# Altium PCB RTM_SFP.PcbDoc (part 3 of 7)
Units mm, origin at the board's own origin, x right, y up, seen from the top; angles counter-clockwise.
Board outline 182.5 x 148.5 mm, 4 copper layers (Top Layer, MidPlane_1, MidPlane_2, Bottom Layer), stack 0.883 mm thick; 377 components, 317 nets, 1528 pads, 1541 vias.
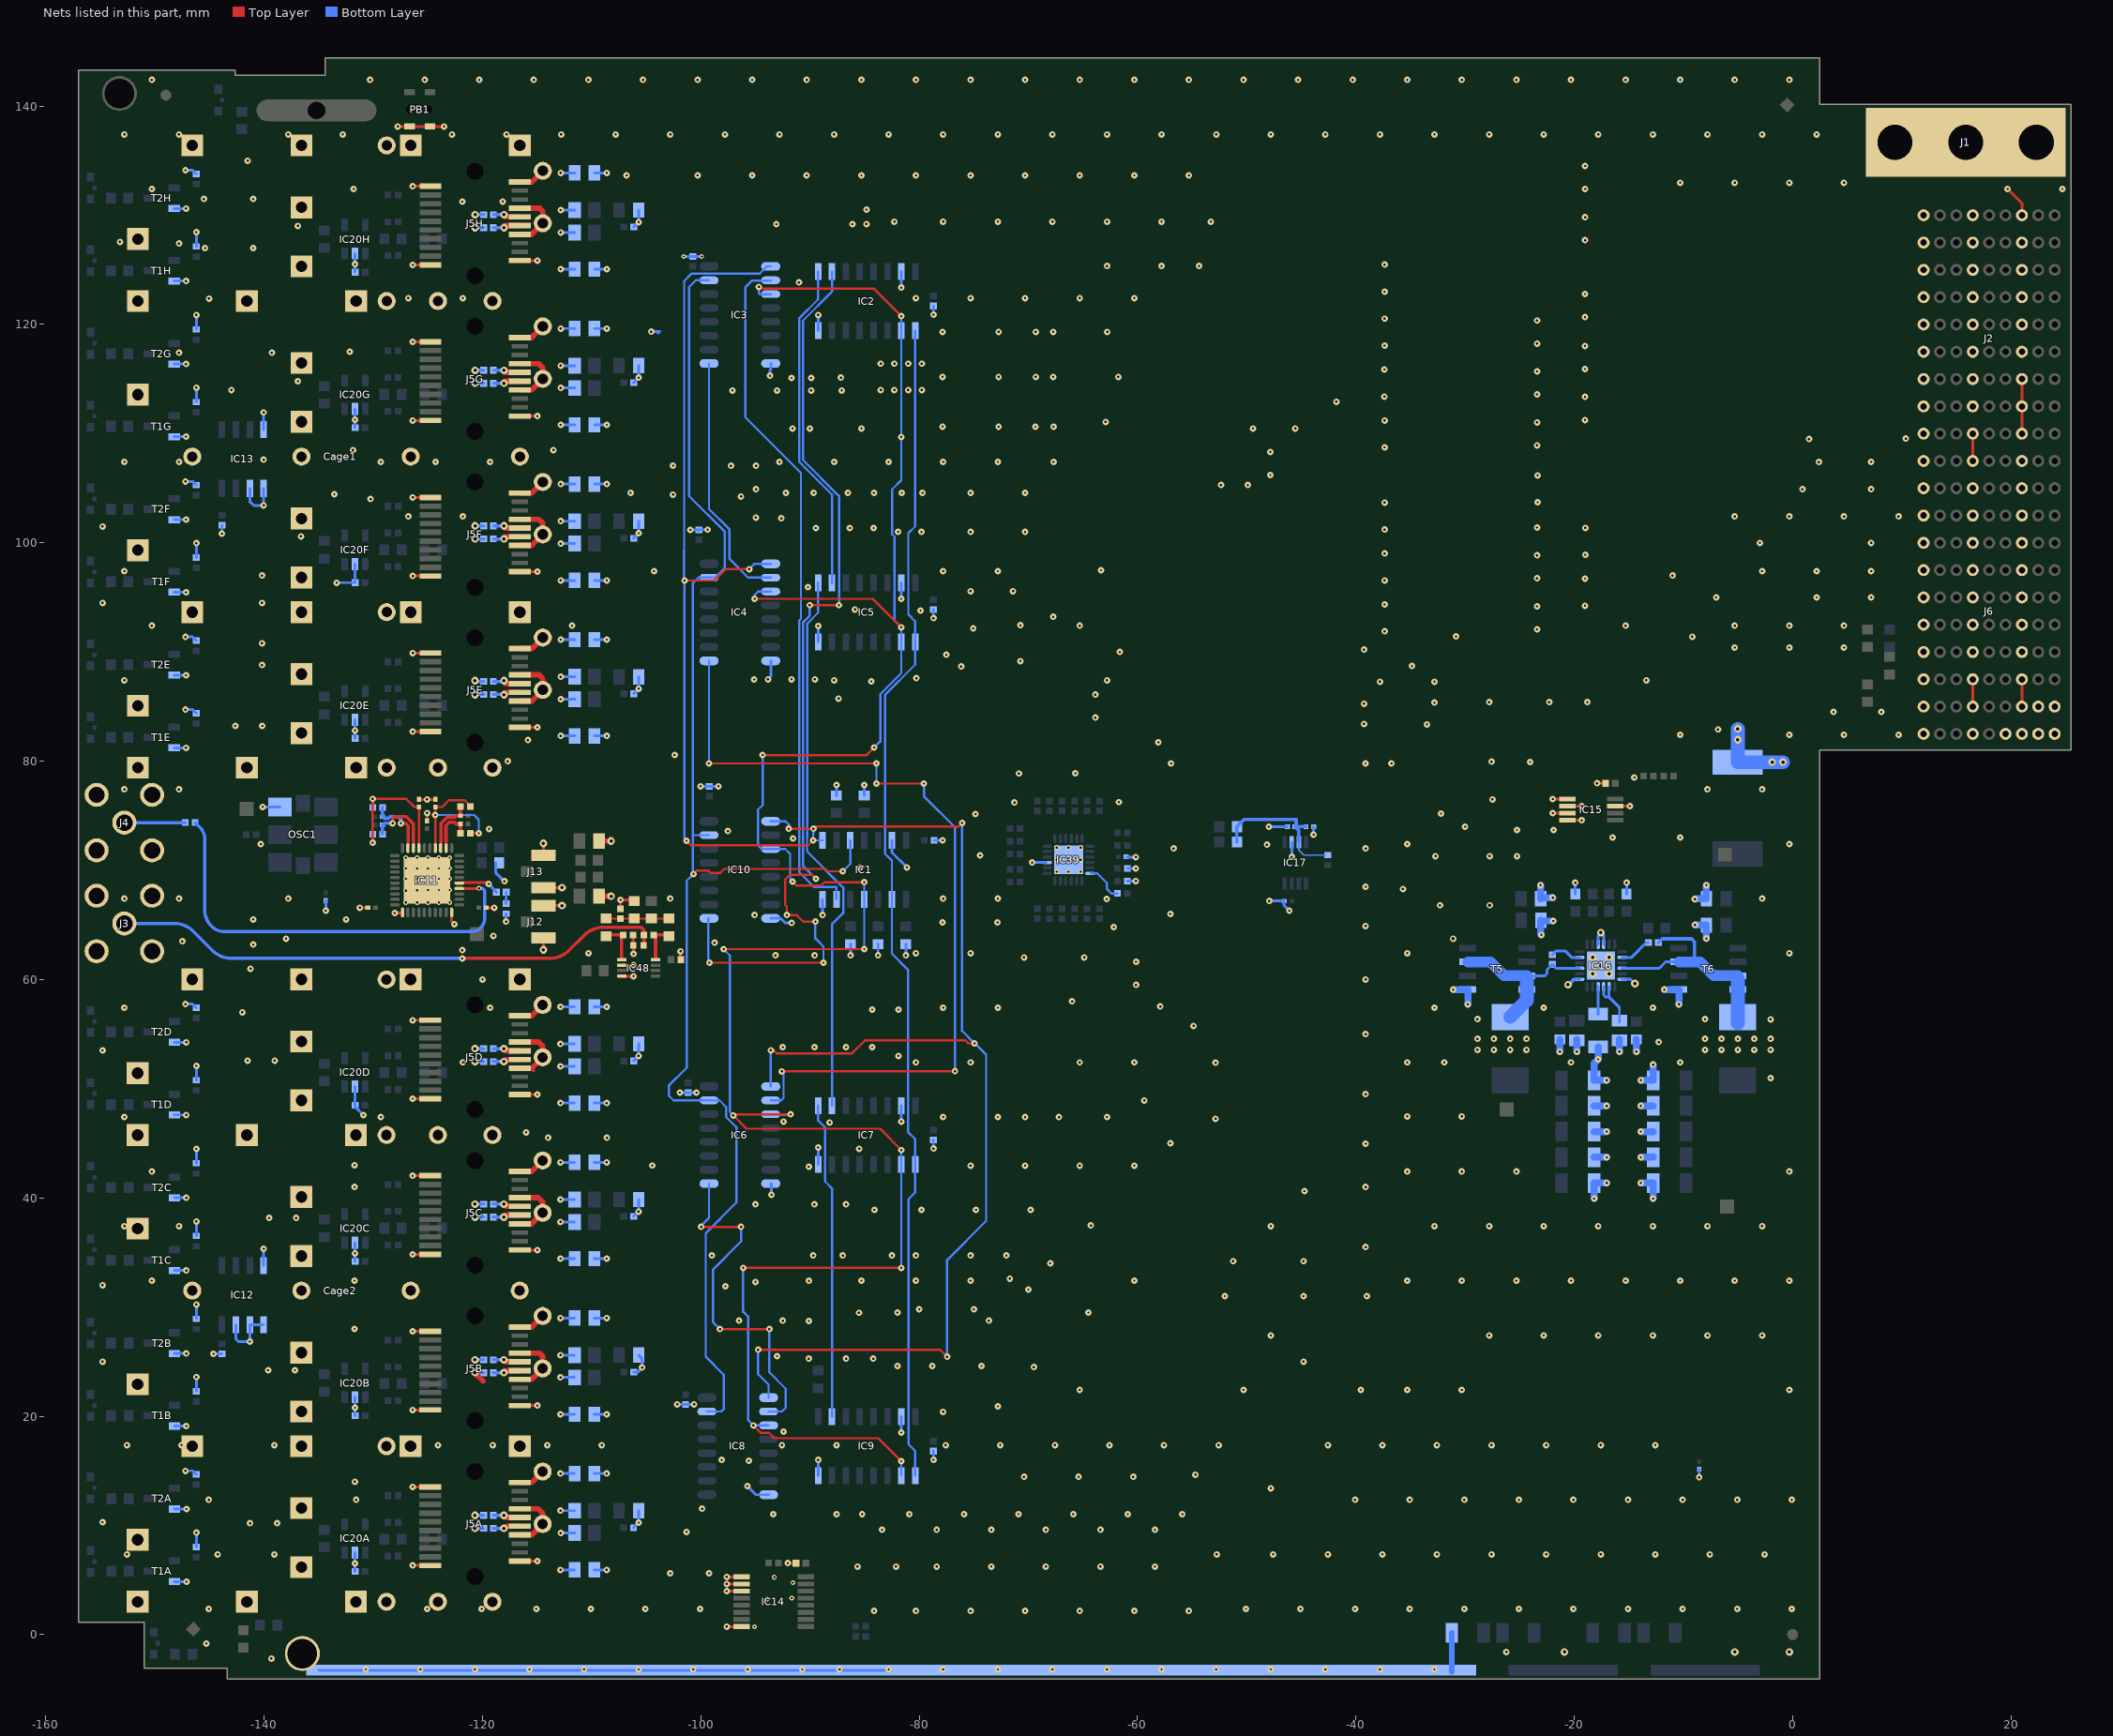
[diagram p5: the nets of this part, all layers, seen from the top]

## Via types
v1: diameter 0.6, hole 0.2, Top Layer to Bottom Layer, tented both sides, 1425 vias
v2: diameter 0.7, hole 0.3, Top Layer to Bottom Layer, tented both sides, 59 vias
v3: diameter 0.45, hole 0.2, Top Layer to Bottom Layer, tented both sides, 47 vias
v4: diameter 0.6, hole 0.2, Top Layer to Bottom Layer, 7 vias
v5: diameter 0.6, hole 0.3, Top Layer to Bottom Layer, tented both sides, 2 vias
v6: diameter 0.45, hole 0.2, Top Layer to Bottom Layer, 1 vias

## Nets (pads, with @x,y where several pads share a name; then routed paths per layer and width w, separated by ;. In a path a pad name is that pad's centre, name@x,y a point inside that pad or via, vN(x,y) a via of type N, cw(c..) or ccw(c..) an arc to the next point about the centre after c; other vN are vias at no path point) (continued)
GND: C1.2 C2.2 C3.2 C4.2 C6.2 C7.2 C8.2 C9.1 C10.1 C12.1 C13A.2 C13B.2 C13C.2 C13D.2 C13E.2 C13F.2 C13G.2 C13H.2 C14.1 C15.1 C16.2 C17.2 C19.1 C20.2 C21.2 C22.2 C23.2 C24.1 C25.2 C26.2 C27.2 C29.2 C30.2 C31.2 C84.2 C176.1 C179.1 C180.1 C181.1 C182.1 C186A.2 C186B.2 C186C.2 C186D.2 C186E.2 C186F.2 C186G.2 C186H.2 C202A.1 C202B.1 C202C.1 C202D.1 C202E.1 C202F.1 C202G.1 C202H.1 C207.1 C208.1 C209.1 C210.1 C213.1 C214A.2 C214B.2 C214C.2 C214D.2 C214E.2 C214F.2 C214G.2 C214H.2 C219A.2 C219B.2 C219C.2 C219D.2 C219E.2 C219F.2 C219G.2 C219H.2 C220A.2 C220B.2 C220C.2 C220D.2 C220E.2 C220F.2 C220G.2 C220H.2 C228A.2 C228B.2 C228C.2 C228D.2 C228E.2 C228F.2 C228G.2 C228H.2 C386.1 C390.1 C391.1 C396.1 C397.1 C399.1 C400.1 C401.1 C402.1 C403.1 Cage1.1 Cage1.2 Cage1.3 Cage1.4 Cage1.5 Cage1.6 Cage1.7 Cage1.8 Cage1.9 Cage1.10 Cage1.11 Cage1.12 Cage1.13 Cage1.14 Cage1.15 Cage1.16 Cage1.17 Cage1.18 Cage1.19 Cage1.20 Cage1.21 Cage1.22 Cage1.23 Cage1.24 Cage1.25 Cage1.26 Cage1.27 Cage1.28 Cage1.29 Cage1.30 Cage1.31 Cage1.32 Cage1.33 Cage1.34 Cage1.35 Cage1.36 Cage1.37 Cage1.38 Cage1.39 Cage1.40 Cage1.41 Cage1.42 Cage1.43 Cage1.44 Cage1.45 Cage1.46 Cage2.1 Cage2.2 Cage2.3 Cage2.4 Cage2.5 Cage2.6 Cage2.7 Cage2.8 Cage2.9 Cage2.10 Cage2.11 Cage2.12 Cage2.13 Cage2.14 Cage2.15 Cage2.16 Cage2.17 Cage2.18 Cage2.19 Cage2.20 Cage2.21 Cage2.22 Cage2.23 Cage2.24 Cage2.25 Cage2.26 Cage2.27 Cage2.28 Cage2.29 Cage2.30 Cage2.31 Cage2.32 Cage2.33 Cage2.34 Cage2.35 Cage2.36 Cage2.37 Cage2.38 Cage2.39 Cage2.40 Cage2.41 Cage2.42 Cage2.43 Cage2.44 Cage2.45 Cage2.46 IC1.7 IC1.13 IC2.8 IC2.15 IC3.8 IC4.8 IC5.8 IC5.15 IC6.8 IC7.8 IC7.15 IC8.8 IC9.8 IC9.15 IC10.8 IC11.21 IC11.30 IC11.41 IC12.4 IC12.5 IC12.6 IC12.7 IC13.4 IC13.5 IC13.6 IC14.1 IC14.2 IC14.3 IC14.8 IC15.1 IC15.2 IC15.3 IC15.4 IC15.7 IC16.3 IC16.4 IC16.12 IC16.19 IC16.25 IC17.2 IC20A.2 IC20B.2 IC20C.2 IC20D.2 IC20E.2 IC20F.2 IC20G.2 IC20H.2 IC39.9 IC39.25 IC48.2 IC48.4 J1.1 J2.BG1 J2.BG2 J2.BG3 J2.BG4 J2.BG5 J2.BG6 J2.BG7 J2.BG8 J2.BG9 J2.BG10 J2.DG1 J2.DG2 J2.DG3 J2.DG4 J2.DG5 J2.DG6 J2.DG7 J2.DG8 J2.DG9 J2.DG10 J2.FG1 J2.FG2 J2.FG3 J2.FG4 J2.FG5 J2.FG6 J2.FG7 J2.FG8 J2.FG9 J2.FG10 J3.2 J4.2 J5A.1 J5A.10 J5A.11 J5A.14 J5A.17 J5A.20 J5B.1 J5B.10 J5B.11 J5B.14 J5B.17 J5B.20 J5C.1 J5C.10 J5C.11 J5C.14 J5C.17 J5C.20 J5D.1 J5D.10 J5D.11 J5D.14 J5D.17 J5D.20 J5E.1 J5E.10 J5E.11 J5E.14 J5E.17 J5E.20 J5F.1 J5F.10 J5F.11 J5F.14 J5F.17 J5F.20 J5G.1 J5G.10 J5G.11 J5G.14 J5G.17 J5G.20 J5H.1 J5H.10 J5H.11 J5H.14 J5H.17 J5H.20 J6.BG1 J6.BG2 J6.BG3 J6.BG4 J6.BG5 J6.BG6 J6.BG7 J6.BG8 J6.BG9 J6.BG10 J6.C1 J6.DG1 J6.DG2 J6.DG3 J6.DG4 J6.DG5 J6.DG6 J6.DG7 J6.DG8 J6.DG9 J6.DG10 J6.FG1 J6.FG2 J6.FG3 J6.FG4 J6.FG5 J6.FG6 J6.FG7 J6.FG8 J6.FG9 J6.FG10 J12.2 J13.2 OSC1.3 pad.ESD_STRIP_SEGMENT_3 pad.MH2 PB1.3 PB1.4 R2.1 R3.1 R4.1 R5.1 R10A.1 R10B.1 R10C.1 R10D.1 R10E.1 R10F.1 R10G.1 R10H.1 R12A.1 R12B.1 R12C.1 R12D.1 R12E.1 R12F.1 R12G.1 R12H.1 R13.1 R18.1 R22.2 R26.1 R29.2 R30.1 R54.2 R211.2 R246.1 R248.1 R326.1 R327.1 T1A.2 T1B.2 T1C.2 T1D.2 T1E.2 T1F.2 T1G.2 T1H.2 T2A.2 T2B.2 T2C.2 T2D.2 T2E.2 T2F.2 T2G.2 T2H.2 T5.1 T6.1 | length 437.1
  Top Layer w0.254: v1(-131.24,66.58) C399.1@-130.51,66.58 ; v1(-128.04,66.09) IC11.21@-127.33,66.09 ; v1(-127.762,138.136) PB1.3@-126.676,138.136 PB1.4@-124.826,138.136 v1(-123.526,138.136) ; IC11.21@-127.33,66.14 IC11.21@-127.301,66.169 ; v1(-126.398,6.326) J5A.10@-124.79,6.326 ; v1(-126.398,13.526) J5A.1@-124.79,13.526 ; v1(-126.398,20.576) J5B.10@-124.79,20.576 ; v1(-126.398,27.776) J5B.1@-124.79,27.776 ; v1(-126.398,34.826) J5C.10@-124.79,34.826 ; v1(-126.398,42.026) J5C.1@-124.79,42.026 ; v1(-126.398,49.076) J5D.10@-124.79,49.076 ; v1(-126.398,56.276) J5D.1@-124.79,56.276 ; v1(-126.384,82.706) J5E.10@-124.775,82.706 ; v1(-126.384,89.906) J5E.1@-124.775,89.906 ; v1(-126.384,96.956) J5F.10@-124.775,96.956 ; v1(-126.384,104.156) J5F.1@-124.775,104.156 ; v1(-126.384,111.206) J5G.10@-124.775,111.206 ; v1(-126.384,118.406) J5G.1@-124.775,118.406 ; v1(-126.384,125.456) J5H.10@-124.775,125.456 ; v1(-126.384,132.656) J5H.1@-124.775,132.656 ; v3(-126,69.225) -125.865,69.09 IC11.41@-125.08,69.09 ; C397.1@-125.83,76.5 v1(-125.08,76.5) C396.1@-124.33,76.5 ; C400.1@-125.08,74.53 v1(-125.08,75.26) ; IC11.30@-122.859,66.169 IC11.30@-122.83,66.14 ; IC11.30@-122.83,66.09 -122.83,65.34 v1(-122.57,65.08) ; C401.1@-119.65,66.58 v1(-118.92,66.58) ; J5A.11@-116.59,6.726 v1(-114.981,6.726) ; J5B.11@-116.59,20.976 v1(-114.981,20.976) ; J5C.11@-116.59,35.226 v1(-114.981,35.226) ; J5D.11@-116.59,49.476 v1(-114.981,49.476) ; J5E.11@-116.575,83.106 v1(-114.967,83.106) ; J5F.11@-116.575,97.356 v1(-114.967,97.356) ; J5G.11@-116.575,111.606 v1(-114.967,111.606) ; J5H.11@-116.575,125.856 v1(-114.967,125.856) ; -115.471,23.291 -115.471,23.4 ; -115.471,51.9 -115.331,51.759 -115.331,51.626 ; v2(-114.42,62.715) J12.2@-114.42,63.815 ; J12.2@-114.42,66.765 v2(-112.72,66.765) ; J13.2@-114.42,68.415 v2(-112.72,68.415) ; J13.2@-114.42,71.365 v2(-114.42,72.465) ; C16.2@-107.36,66.48 v1(-107.36,67.29) -106.2,67.29 R26.1@-106.09,67.18 ; IC48.4@-107.25,60.31 v1(-106.163,60.31) ; IC48.2@-107.25,61.31 v1(-106.163,61.31) ; R211.2@-106.213,63.17 C19.1@-106.213,64.08 ; v1(-106.163,62.347) R211.2@-106.163,63.12 ; v1(-101.855,62.578) -101.855,61.825 C17.2@-101.84,61.81 ; v1(-97.635,0.735) IC14.8@-96.28,0.735 ; v1(-97.635,3.985) IC14.3@-96.28,3.985 ; v1(-97.635,4.635) IC14.2@-96.28,4.635 ; v1(-97.635,5.285) IC14.1@-96.28,5.285 ; v1(-92.04,6.54) C26.2@-91.28,6.54 ; v1(-21.965,75.235) IC15.3@-20.64,75.235 ; v1(-21.965,76.535) IC15.1@-20.64,76.535 ; IC15.4@-20.64,74.585 v1(-19.315,74.585) ; IC15.2@-20.64,75.885 v1(-19.315,75.885) ; v1(-17.92,77.97) C27.2@-17.14,77.97 ; IC15.7@-16.24,75.885 v1(-14.905,75.885) ; J6.DG2@16.5,85 J6.DG3@16.5,87.5 ; J2.DG1@16.5,107.5 J2.DG2@16.5,110 ; v1(19.7,132.411) 21,131.111 J2.BG10@21,130 ; J6.BG2@21,85 J6.BG3@21,87.5 ; J2.BG2@21,110 J2.BG3@21,112.5 J2.BG4@21,115
  Top Layer w0.5: v2(-120.7,23.985) -119.948,23.233 ; J5A.14@-116.59,9.126 -115.495,9.126 Cage2.43@-114.49,10.131 -114.49,11.12 -114.896,11.526 J5A.17@-116.59,11.526 ; J5A.20@-116.59,13.926 -115.495,13.926 Cage2.42@-114.49,14.931 ; J5B.14@-116.59,23.376 -115.495,23.376 Cage2.40@-114.49,24.381 -114.49,25.48 -114.786,25.776 J5B.17@-116.59,25.776 ; J5B.20@-116.59,28.176 -115.495,28.176 Cage2.39@-114.49,29.181 ; J5C.14@-116.59,37.626 -115.495,37.626 Cage2.34@-114.49,38.631 -114.49,39.63 -114.886,40.026 J5C.17@-116.59,40.026 ; J5C.20@-116.59,42.426 -115.495,42.426 Cage2.33@-114.49,43.431 ; J5D.14@-116.59,51.876 -115.495,51.876 Cage2.29@-114.49,52.881 -114.49,53.89 -114.876,54.276 J5D.17@-116.59,54.276 ; J5D.20@-116.59,56.676 -115.495,56.676 Cage2.28@-114.49,57.681 ; J5E.14@-116.575,85.506 -115.48,85.506 -114.475,86.511 -114.475,87.565 -114.816,87.906 J5E.17@-116.575,87.906 ; J5E.20@-116.575,90.306 -115.48,90.306 Cage1.42@-114.475,91.311 ; J5F.14@-116.575,99.756 -115.48,99.756 -114.475,100.761 -114.475,101.795 -114.836,102.156 J5F.17@-116.575,102.156 ; J5F.20@-116.575,104.556 -115.48,104.556 Cage1.39@-114.475,105.561 ; J5G.14@-116.575,114.006 -115.48,114.006 -114.475,115.011 -114.475,116.025 -114.856,116.406 J5G.17@-116.575,116.406 ; J5G.20@-116.575,118.806 -115.48,118.806 Cage1.33@-114.475,119.811 ; J5H.14@-116.575,128.256 -115.48,128.256 -114.475,129.261 -114.475,130.365 -114.766,130.656 J5H.17@-116.575,130.656 ; J5H.20@-116.575,133.056 -115.48,133.056 Cage1.28@-114.475,134.061 ; C24.1@-109.33,67.63 v2(-108.23,67.63) ; C390.1@-109.33,72.68 v2(-108.23,72.68)
  Bottom Layer w0.254: T1E.2@-148.25,81.225 v1(-147.16,81.225) ; T2E.2@-148.25,87.875 v1(-147.16,87.875) ; T1F.2@-148.25,95.475 v1(-147.16,95.475) ; T2F.2@-148.25,102.125 v1(-147.16,102.125) ; T1G.2@-148.25,109.725 v1(-147.16,109.725) ; T2G.2@-148.25,116.375 v1(-147.16,116.375) ; T1H.2@-148.25,123.975 v1(-147.16,123.975) ; T2H.2@-148.25,130.625 v1(-147.16,130.625) ; T1B.2@-148.225,19.1 v1(-147.135,19.1) ; T2B.2@-148.225,25.75 v1(-147.135,25.75) ; T1C.2@-148.225,33.35 v1(-147.135,33.35) ; T2C.2@-148.225,40 v1(-147.135,40) ; T1D.2@-148.225,47.6 v1(-147.135,47.6) ; T2D.2@-148.225,54.25 v1(-147.135,54.25) ; T1A.2@-148.21,4.849 v1(-147.12,4.849) ; T2A.2@-148.21,11.499 v1(-147.12,11.499) ; v1(-147.21,14.999) -146.55,14.999 R10A.1@-146.22,14.669 ; v1(-147.21,57.75) -146.55,57.75 R10D.1@-146.22,57.42 ; v1(-147.21,84.725) -146.55,84.725 R12E.1@-146.22,84.395 ; v1(-147.21,91.375) -146.55,91.375 R10E.1@-146.22,91.045 ; v1(-147.21,105.625) -146.55,105.625 R10F.1@-146.22,105.295 ; v1(-147.21,134.125) -146.55,134.125 R10H.1@-146.22,133.795 ; R12A.1@-146.22,8.019 v1(-146.22,9.339) ; R12B.1@-146.22,22.27 v1(-146.22,23.59) ; R10B.1@-146.22,28.92 v1(-146.22,30.24) ; R12C.1@-146.22,36.52 v1(-146.22,37.84) ; R10C.1@-146.22,43.17 v1(-146.22,44.49) ; R12D.1@-146.22,50.77 v1(-146.22,52.09) ; R12F.1@-146.22,98.645 v1(-146.22,99.965) ; R12G.1@-146.22,112.895 v1(-146.22,114.215) ; R10G.1@-146.22,119.545 v1(-146.22,120.865) ; R12H.1@-146.22,127.145 v1(-146.22,128.465) ; v1(-144.644,25.72) C21.2@-143.86,25.72 ; v1(-143.86,100.841) C25.2@-143.86,101.625 ; IC12.7@-142.59,28.386 -142.59,27.07 -142.35,26.83 v1(-141.32,26.83) IC12.6@-141.32,28.386 IC12.5@-140.05,28.386 ; IC13.6@-141.32,104.986 -141.32,103.78 -140.97,103.43 v1(-140.05,103.43) IC13.5@-140.05,104.986 ; v1(-140.15,75.81) OSC1.3@-138.56,75.81 ; IC12.4@-140.05,33.786 v1(-140.05,35.343) ; IC13.4@-140.05,110.386 v1(-140.05,111.943) ; pad.MH2@-136.501,-1.739 pad.MH2@-135.482,-2.758 ; pad.ESD_STRIP_SEGMENT_3@-134.976,-3.264 pad.ESD_STRIP_SEGMENT_3@-82.571,-3.264 ; v1(-134.36,66.3) C391.1@-134.36,67.23 ; v1(-133.36,96.35) C202F.1@-131.68,96.35 ; C202A.1@-131.68,5.789 v1(-131.68,6.519) IC20A.2@-131.68,7.499 ; C202B.1@-131.68,20.04 v1(-131.68,20.77) IC20B.2@-131.68,21.75 ; C202C.1@-131.68,34.19 v1(-131.68,34.92) IC20C.2@-131.68,35.9 ; C202D.1@-131.68,48.49 IC20D.2@-131.68,50.2 ; C202E.1@-131.68,82.09 v1(-131.68,82.82) IC20E.2@-131.68,83.8 ; IC20F.2@-131.68,98.06 C202F.1@-131.68,96.35 ; C202G.1@-131.68,110.55 v1(-131.68,111.28) IC20G.2@-131.68,112.26 ; C202H.1@-131.68,124.79 v1(-131.68,125.52) IC20H.2@-131.68,126.5 ; C202D.1@-131.66,48.49 -131.66,48.33 v1(-130.91,47.58) ; C202F.1@-131.66,96.35 C202F.1@-131.68,96.35 ; R30.1@-118.81,70.69 -118.81,69.81 v1(-118,69) ; v1(-117.836,65.303) R29.2@-117.836,66.02 ; C219A.2@-109.764,5.93 C219A.2@-109.75,5.93 v1(-108.629,5.93) ; C220A.2@-109.764,14.75 C220A.2@-109.75,14.75 v1(-108.629,14.75) ; C219B.2@-109.764,20.18 C219B.2@-109.75,20.18 v1(-108.629,20.18) ; C220B.2@-109.764,29 C220B.2@-109.75,29 v1(-108.629,29) ; C219C.2@-109.764,34.43 C219C.2@-109.75,34.43 v1(-108.629,34.43) ; C220C.2@-109.764,43.25 C220C.2@-109.75,43.25 v1(-108.629,43.25) ; C219D.2@-109.764,48.68 C219D.2@-109.75,48.68 v1(-108.629,48.68) ; C220D.2@-109.764,57.5 C220D.2@-109.75,57.5 v1(-108.629,57.5) ; C219E.2@-109.75,82.31 v1(-108.615,82.31) ; C220E.2@-109.75,91.13 v1(-108.615,91.13) ; C219F.2@-109.75,96.56 v1(-108.615,96.56) ; C220F.2@-109.75,105.38 v1(-108.615,105.38) ; C219G.2@-109.75,110.81 v1(-108.615,110.81) ; C220G.2@-109.75,119.63 v1(-108.615,119.63) ; C219H.2@-109.75,125.06 v1(-108.615,125.06) ; C220H.2@-109.75,133.88 v1(-108.615,133.88) ; C186A.2@-106.167,9.797 -105.714,10.25 C13A.2@-105.714,11.35 ; C186B.2@-106.164,24.05 C186B.2@-106.162,24.052 ; C186C.2@-106.164,38.3 v1(-105.714,38.75) C13C.2@-105.714,39.85 ; C186D.2@-106.164,52.55 v1(-105.714,53) C13D.2@-105.714,54.1 ; C186B.2@-106.15,24.04 -105.758,24.04 v1@-105.363,24.434 ; C186E.2@-106.15,86.18 -105.7,86.63 C13E.2@-105.7,87.73 ; C186F.2@-106.15,100.43 -105.7,100.88 C13F.2@-105.7,101.98 ; C186G.2@-106.15,114.68 -105.7,115.13 C13G.2@-105.7,116.23 ; C186H.2@-106.15,128.93 v1(-105.7,129.38) C13H.2@-105.7,130.48 ; C13B.2@-105.714,25.6 -105.38,25.266 v1(-105.38,24.451) ; v1(-104.55,119.34) -103.76,119.34 ; -104.202,119.34 cw(c-104.202,118.898) -103.889,119.211 ; v1(-102.159,21.089) C2.2@-101.397,21.089 v1(-100.61,21.089) ; v1(-101.93,49.639) C22.2@-101.168,49.639 v1(-100.393,49.639) ; v3(-101.57,126.231) C6.2@-100.736,126.231 v3(-99.931,126.231) ; v1(-100.955,101.18) -100.191,101.18 C7.2@-100.178,101.193 -100.166,101.205 v1(-99.38,101.205) ; v1(-100.028,77.699) C1.2@-99.224,77.699 v1(-98.4,77.699) ; v1(-95.75,13.6) -94.961,12.811 IC8.8@-93.8,12.811 ; v1(-93.85,87.5) -93.6,87.75 IC4.8@-93.6,89.191 ; v1(-93.675,115.3) -93.675,115.825 -93.6,115.9 IC3.8@-93.6,116.43 ; IC6.8@-93.6,41.311 -93.525,41.236 v1(-93.525,40.275) ; IC10.8@-93.6,65.605 -92.68,65.605 -92.25,65.175 v1(-91.675,65.175) ; IC9.8@-89.26,14.556 v1(-89.26,15.996) ; IC7.8@-89.26,43.056 v1(-89.26,44.611) ; IC5.8@-89.26,90.936 v1(-89.26,92.376) ; IC2.8@-89.26,119.436 v1(-89.26,120.876) ; v1(-88.85,65.91) IC1.7@-88.85,67.35 ; R2.1@-87.58,76.85 v1(-87.58,77.82) ; v1(-86.3,62.21) R3.1@-86.3,63.25 ; R5.1@-85.04,76.85 v1(-85.04,77.82) ; v1(-83.77,62.21) R13.1@-83.77,63.25 ; IC1.13@-82.5,72.75 -82.5,71.64 v1(-81.13,70.27) ; v1(-81.64,18.496) IC9.15@-81.64,19.956 ; v1(-81.64,46.996) IC7.15@-81.64,48.456 ; v1(-81.64,94.876) IC5.15@-81.64,96.336 ; v1(-81.64,123.376) IC2.15@-81.64,124.836 ; v1(-81.23,62.21) R4.1@-81.23,63.25 ; v1(-78.7,16.016) C3.2@-78.7,16.806 ; v1(-78.7,44.516) C4.2@-78.7,45.306 ; v1(-78.7,93.096) C20.2@-78.7,93.886 ; v1(-78.7,120.896) C8.2@-78.7,121.686 ; C23.2@-78.64,72.75 v1(-77.85,72.75) ; v1(-69.66,70.72) IC39.9@-68.369,70.72 ; C402.1@-61.04,71.22 v1(-60.15,71.22) ; R327.1@-60.94,69.03 v1(-60.15,69.03) ; R326.1@-60.94,70.175 v1(-60.15,70.175) ; v4(-47.979,74) C29.2@-46.275,74 ; v4(-47.941,67.2) C30.2@-46.575,67.2 -46.575,66.775 v4(-46.1,66.3) ; v4(-45.875,71.239) IC17.2@-45.875,72.59 ; v4(-43.875,73.269) C31.2@-43.875,74 ; v2(-20.57,59.53) -20.07,60.03 IC16.19@-19.51,60.03 ; v2@-20.355,59.472 cw(c-19.5,59.243) IC16.19@-19.943,60.009 ; R248.1@-19.91,67.83 v1(-19.91,68.87) ; IC16.3@-17.81,63.23 -17.81,64.04 v2(-17.56,64.29) -17.31,64.04 IC16.4@-17.31,63.23 ; IC16.12@-15.61,60.03 -14.85,60.03 v2(-14.45,59.63) ; R18.1@-15.21,67.83 v1(-15.21,68.87) ; v1(-8.56,14.41) C403.1@-8.56,15.14
  Bottom Layer w0.3: v2(-120.7,9.735) C228A.2@-119.9,9.735 ; v2(-120.7,10.92) C214A.2@-119.9,10.92 ; v2(-120.7,23.985) C228B.2@-119.9,23.985 ; v2(-120.7,25.17) C214B.2@-119.9,25.17 ; v2(-120.7,38.235) C228C.2@-119.9,38.235 ; v2(-120.7,39.42) C214C.2@-119.9,39.42 ; v2(-120.7,52.485) C228D.2@-119.9,52.485 ; v2(-120.7,53.67) C214D.2@-119.9,53.67 ; v2(-120.69,86.09) -120.69,86.111 -120.686,86.115 C228E.2@-119.9,86.115 C228E.2@-119.886,86.115 ; v2(-120.69,87.38) -120.69,87.304 -120.686,87.3 C214E.2@-119.9,87.3 C214E.2@-119.886,87.3 ; v2(-120.686,100.365) C228F.2@-119.9,100.365 C228F.2@-119.886,100.365 ; v2(-120.686,101.55) C214F.2@-119.9,101.55 C214F.2@-119.886,101.55 ; v2(-120.686,114.615) C228G.2@-119.9,114.615 C228G.2@-119.886,114.615 ; v2(-120.686,115.8) C214G.2@-119.9,115.8 C214G.2@-119.886,115.8 ; v2(-120.686,128.865) C228H.2@-119.9,128.865 C228H.2@-119.886,128.865 ; v2(-120.686,130.05) C214H.2@-119.9,130.05 C214H.2@-119.886,130.05
  Bottom Layer w0.5: pad.ESD_STRIP_SEGMENT_3@-31.22,-3.414 R22.2@-31.22,0.161
  Bottom Layer w0.635: v1(-31.09,59.075) T5.1@-29.75,59.075 v1(-29.75,57.735) ; v1(-23.094,68.636) -23.094,67.418 C10.1@-23.087,67.411 -22.998,67.5 v1(-21.962,67.5) ; v1(-23.018,64.09) -23.065,64.137 C9.1@-23.065,65.435 -22.996,65.365 v1(-21.928,65.365) ; v1(-21.32,53.39) R54.2@-21.32,54.53 ; v1(-19.76,53.39) C84.2@-19.76,54.43 C84.2@-19.76,54.53 ; v1(-18.17,39.93) C181.1@-18.17,41.37 v1(-17.03,41.37) ; C182.1@-18.17,43.72 v1(-17.03,43.72) ; C180.1@-18.17,46.07 v1(-17.03,46.07) ; C179.1@-18.17,48.42 v1(-17.03,48.42) ; C207.1@-17.81,53.83 v1(-17.81,52.69) -18.17,52.33 C176.1@-18.17,50.77 v1(-17.03,50.77) ; v1(-15.86,53.39) C386.1@-15.86,54.43 C386.1@-15.86,54.53 ; v1(-14.31,53.39) R246.1@-14.31,54.53 ; v1(-13.91,41.37) C15.1@-12.77,41.37 v1(-12.77,39.93) ; v1(-13.91,43.72) C213.1@-12.77,43.72 ; v1(-13.91,46.07) C210.1@-12.77,46.07 ; v1(-13.91,48.42) C208.1@-12.77,48.42 ; v1(-13.91,50.77) C209.1@-12.77,50.77 v1(-12.77,52.21) ; v1(-11.76,59.075) T6.1@-10.42,59.075 v1(-10.42,57.735) ; v1(-8.956,67.372) -8.916,67.412 C14.1@-7.9,67.412 v1(-7.9,68.636) ; v1(-8.938,65.008) -8.91,64.98 C12.1@-8.01,64.98 ; v1(-7.9,63.76) -7.9,64.87 C12.1@-8.01,64.98 ; C12.1@-7.9,64.98 C12.1@-8.01,64.98
  other v1: -130.7,-3.19 -125.7,-3.19 -120.7,-3.19 -115.7,-3.19 -110.7,-3.19 -105.7,-3.19 -100.7,-3.19 -95.7,-3.19 -90.7,-3.19 -87.3,-3.19 -82.8,-3.19 -77.8,-3.19 -72.8,-3.19 -67.8,-3.19 -62.8,-3.19 -57.8,-3.19 -52.8,-3.19 -47.8,-3.19 -42.8,-3.19 -37.8,-3.19 -32.8,-3.19 -139.34,-2.19 -26.22,-1.587 -145.3,-0.82 -84.14,2.17 -80.3,2.17 -75.3,2.17 -70.3,2.17 -65.3,2.17 -60.3,2.17 -55.3,2.17 -145.075,2.35 -125.075,2.35 -120.075,2.35 -115.075,2.35 -110.075,2.35 -105.075,2.35 -100.075,2.35 -50.075,2.35 -45.075,2.35 -40.075,2.35 -35.075,2.35 -30.075,2.35 -25.075,2.35 -20.075,2.35 -15.075,2.35 -10.075,2.35 -5.075,2.35 -0.075,2.35 -102.8,5.62 -99.24,5.62 -85.65,6.225 -82.125,6.225 -78.4,6.225 -73.4,6.225 -68.4,6.225 -63.4,6.225 -58.4,6.225 -152.575,7.35 -144.25,7.35 -139.075,7.35 -52.75,7.35 -47.575,7.35 -42.575,7.35 -37.575,7.35 -32.575,7.35 -27.575,7.35 -22.575,7.35 -17.575,7.35 -12.575,7.35 -7.575,7.35 -2.575,7.35 -101.31,9.41 -83.4,9.6 -78.4,9.6 -73.4,9.6 -68.4,9.6 -63.4,9.6 -58.4,9.6 -141.29,10.2 -138.82,10.2 -105.7,10.25 -154.8,10.3 -93.37,11.03 -87.55,11.03 -85.23,11.03 -80.9,11.03 -75.9,11.03 -70.9,11.03 -65.9,11.03 -60.9,11.03 -55.9,11.03 -99.88,11.53 -145.075,12.35 -131.575,12.35 -40.075,12.35 -35.075,12.35 -30.075,12.35 -25.075,12.35 -20.075,12.35 -15.075,12.35 -10.075,12.35 -5.075,12.35 -0.075,12.35 -47.8,13.4 -131.7,14 -70.4,14.45 -65.4,14.45 -60.4,14.45 -54.7,14.65 -95.62,15.93 -98.1,15.99 -152.575,17.35 -147.575,17.35 -139.075,17.35 -124.075,17.35 -119.075,17.35 -114.075,17.35 -109.075,17.35 -92.575,17.35 -87.575,17.35 -77.575,17.35 -72.575,17.35 -67.575,17.35 -62.575,17.35 -57.575,17.35 -52.575,17.35 -42.575,17.35 -37.575,17.35 -32.575,17.35 -27.575,17.35 -22.575,17.35 -17.575,17.35 -12.575,17.35 -92.425,18.59 -77.8,20.4 -72.8,20.9 -65.3,22.411 -50.3,22.411 -39.55,22.411 -35.3,22.411 -30.3,22.411 -0.3,22.411 -139.646,24.21 -137.176,24.21 -69.5,24.5 -82,24.6 -78.8,24.6 -74.3,24.6 -154.8,25 -44.8,25 -90.125,25.274 -86.7,25.275 -84.2,25.275 -93.03,25.5 -47.8,27.411 -27.8,27.411 -22.8,27.411 -17.8,27.411 -12.8,27.411 -7.8,27.411 -2.8,27.411 -131.725,28 -90.1,28.725 -96.5,28.75 -92.5,28.75 -73.625,28.75 -85.525,29.475 -82,29.5 -64.5,29.5 -80,29.8 -75,29.8 -52,31 -44.8,31 -39,31 -70,31.6 -97.75,31.9 -154.8,32 -95,32.3 -150.3,32.411 -131.725,32.411 -90.1,32.409 -85.3,32.411 -80.3,32.411 -75.3,32.411 -60.3,32.411 -35.3,32.411 -30.3,32.411 -25.3,32.411 -20.3,32.411 -15.3,32.411 -10.3,32.411 -5.3,32.411 -0.3,32.411 -71.7,32.6 -68,34 -51.25,34.2 -44.8,34.2 -98.999,34.725 -89.7,34.725 -87,34.725 -82.5,34.725 -80.3,34.725 -75.3,34.725 -72.025,34.725 -39.1,35.5 -152.8,37.411 -147.8,37.411 -47.8,37.411 -32.8,37.411 -27.8,37.411 -22.8,37.411 -17.8,37.411 -12.8,37.411 -7.8,37.411 -2.8,37.411 -64.275,37.475 -139.543,38.16 -137.073,38.16 -84.1,38.9 -79.8,38.9 -74.8,38.9 -69.8,38.9 -95,39.4 -89.6,39.4 -86.7,39.4 -44.725,40.625 -131.725,41 -39.1,41 -150.3,42.411 -35.3,42.411 -30.3,42.411 -25.3,42.411 -0.3,42.411 -90.125,42.85 -104.458,42.962 -75.3,42.961 -70.3,42.961 -65.3,42.961 -60.3,42.961 -131.725,43 -85.5,44.5 -39.1,44.96 -57,45 -114,45.5 -108.6,45.5 -116,46 -88.2,46.9 -92.425,46.995 -52.85,47.25 -70.3,47.4 -67.2,47.4 -152.8,47.411 -129.3,47.411 -77.8,47.411 -72.8,47.411 -62.8,47.411 -35.3,47.47 -30.3,47.47 -59.38,48.93 -39.1,49.5 -2.02,50.97 -52.85,52.375 -121.8,52.411 -80.3,52.411 -75.3,52.411 -65.3,52.411 -60.3,52.411 -35.3,52.411 -31.9,52.411 -20.3,52.411 -10.3,52.411 -141.513,52.58 -139.043,52.58 -81.9,53 -154.8,53.5 -92.5,53.8 -89.6,53.8 -86.7,53.8 -84.3,53.8 -12.26,54.27 -39.1,55 -54.875,55.75 -142,57 -84.3,57.25 -81.9,57.25 -152.8,57.411 -119.3,57.411 -77.8,57.411 -72.8,57.411 -32.8,57.411 -22.8,57.411 -12.8,57.411 -57.925,57.536 -66,58 -60.142,59.512 -120,60 -39.1,60 -141.25,61 -60.142,61.622 -70.41,62.02 -64.88,62.03 -93.17,62.21 -89.58,62.21 -110.3,62.411 -80.3,62.411 -75.3,62.411 -35.3,62.411 -0.3,62.411 -121.86,62.69 -141,63.2 -98.75,63.375 -147.5,63.5 -138,63.75 -119,64 -62.17,64.8 -39.1,64.9 -77.87,65.23 -72.82,65.23 -141,65.5 -132.5,65.5 -95.072,65.9 -57,66 -32.3,66.8 -62.837,67.372 -152.8,67.411 -147.8,67.411 -137.8,67.411 -102.8,67.411 -77.8,67.411 -72.8,67.411 -2.8,67.411 -35.7,68.3 -39.1,68.5 -85.44,70.27 -32.7,71.3 -27.75,71.3 -25.25,71.3 -74.41,71.37 -56.7,72 -39.1,72 -48.15,72.345 -140.3,72.411 -35.3,72.411 -0.3,72.411 -91.545,72.925 -16.5,73 -10.3,73 -97.525,73.6 -25.25,73.7 -21.9,73.7 -119.4,73.8 -30,74 -74.84,75.15 -32.2,75.2 -71.28,76.21 -61.72,76.25 -27.5,76.5 -152.8,77.411 -147.8,77.411 -7.8,77.411 -2.8,77.411 -14.5,78.5 -70.88,78.87 -65.69,78.895 -56.925,79.79 -39.12,79.79 -36.75,79.79 -24.05,79.925 -27.575,79.95 -117.7,80 -102.4,80.56 -58.09,81.72 -115.85,81.925 -10.3,82.411 -0.3,82.411 4.7,82.411 9.7,82.411 -6.83,82.907 -142.644,83.23 -140.174,83.23 -33.5,83.375 -39.27,83.41 -63.87,83.99 3.75,84.5 8.125,84.5 -39.27,85.26 -32.8,85.36 -27.8,85.4 -22.3,85.4 -18.8,85.4 -87.38,85.73 -63.87,86.1 -105.69,86.64 -37.8,87.286 -32.8,87.286 -84.39,87.315 -152.8,87.411 -87.8,87.411 -62.8,87.411 -13.4,87.411 -95.115,87.475 -91.7,87.5 -89.56,87.5 -80.25,87.59 -76.16,88.67 -34.87,88.72 -140.2,88.8 -70.74,89.17 -77.52,89.74 -61.625,90 -39.27,90.22 -5.3,90.4 -0.3,90.4 4.7,90.4 -140.2,90.8 -9.2,91.4 -30.825,91.425 -37.373,91.89 -23.411,92.078 -75.05,92.161 -150.3,92.411 -111.8,92.411 -65.3,92.411 -15.3,92.411 -5.3,92.411 -0.3,92.411 4.7,92.411 -70.74,92.45 -67.72,93.23 -79.88,93.8 -85.88,93.9 -23.411,94.188 -19.015,94.242 -37.373,94.36 -154.8,94.5 -140.2,94.5 -7,95 2.2,95 7.2,95 -75.3,95.57 -71.41,95.57 -90.195,95.936 -37.37,96.557 -19.015,96.712 -23.408,96.745 -140.2,97 -11,97 -152.8,97.411 -104.3,97.411 -77.8,97.411 -72.8,97.411 -2.8,97.411 2.2,97.411 7.2,97.411 -63.35,97.486 -23.408,98.855 -18.995,98.902 -37.37,99.027 -3,100 7.2,100 -136.64,100.595 -105.69,100.88 -79.8,101 -75.3,101 -70.3,101 -81.929,101.005 -37.37,101.214 -89.47,101.35 -86.36,101.35 -84.18,101.35 -18.995,101.372 -23.408,101.402 -154.8,101.5 -92.628,102.25 -94.971,102.311 -126.8,102.411 -121.8,102.411 -5.3,102.411 -0.3,102.411 4.7,102.411 9.7,102.411 -37.37,103.684 -23.355,103.712 -130.25,104 -96.325,104.25 -102.55,104.425 -133.575,104.45 -106.44,104.57 -92.23,104.57 -89.66,104.57 -86.53,104.57 -84.15,104.57 -81.6,104.57 -79.7,104.57 -75.3,104.57 -70.3,104.57 -94.95,104.9 0.9,104.9 7.2,104.9 -52.37,105.29 -49.9,105.29 -23.355,106.182 -47.847,106.215 -97.25,107.05 -94.95,107.05 -102.55,107.075 2.4,107.4 -152.8,107.411 -147.8,107.411 -129.3,107.411 -124.3,107.411 -119.3,107.411 -92.8,107.411 -87.8,107.411 -82.8,107.411 -77.8,107.411 -72.8,107.411 -67.7,107.411 7.2,107.411 -140.05,107.611 -47.847,108.325 -131.875,108.5 -113.5,108.5 -37.37,108.737 -23.408,108.926 1.5,109.5 10.375,109.55 -91.61,110.47 -90.02,110.47 -85.3,110.47 -49.425,110.475 -45.55,110.475 -77.86,110.65 -72.73,110.64 -69.36,110.64 -67.7,110.64 -23.408,111.036 -62.925,111.075 -37.37,111.207 -19.012,111.255 -41.8,112.925 -19.012,113.365 -37.382,113.402 -23.42,113.59 -97.1,113.95 -93.03,113.95 -89.9,113.95 -87.1,113.95 -143,114 -83.52,114 -82.27,114 -81.01,114 -79.77,114 -136.91,114.795 -91.69,115.1 -89.9,115.1 -87.175,115.125 -105.69,115.13 -77.87,115.205 -72.73,115.205 -69.33,115.205 -67.73,115.205 -61.77,115.205 -23.42,115.7 -37.382,115.872 -19.015,115.922 -83.52,116.41 -82.27,116.41 -81.01,116.41 -79.77,116.41 -147.8,117.411 -139.3,117.411 -132.175,117.5 -19.015,118.032 -37.37,118.064 -23.408,118.252 -77.87,119.328 -72.73,119.328 -69.33,119.328 -67.73,119.328 -62.77,119.328 -23.408,120.362 -37.37,120.534 -19.016,120.672 -145.05,122.375 -126.8,122.411 -121.8,122.411 -80.3,122.411 -75.3,122.411 -70.3,122.411 -65.3,122.411 -60.3,122.411 -19.016,122.782 -37.37,123.01 -91.025,123.85 -62.8,125.35 -57.8,125.35 -54.375,125.35 -37.37,125.48 -145.415,127 -141,127 -147.8,127.411 -153.222,127.571 -19.006,127.712 -136.91,129.035 -93.09,129.19 -86.12,129.19 -84.83,129.2 -82.28,129.414 -77.8,129.414 -72.8,129.414 -67.8,129.414 -62.8,129.414 -57.8,129.414 -53.3,129.414 -19.006,129.822 -84.84,130.52 -121.86,131.25 -118.15,131.26 -145.53,131.5 -141,131.5 -150.3,132.411 -131.8,132.411 -19.01,132.41 24.7,132.411 -10.3,132.986 -5.3,132.986 -0.3,132.986 4.7,132.986 -106.8,133.663 -100.3,133.663 -95.3,133.663 -90.3,133.663 -85.3,133.663 -80.3,133.663 -75.3,133.663 -70.3,133.663 -65.3,133.663 -60.3,133.663 -55.3,133.663 -19.01,134.52 -141.5,135 -152.8,137.411 -147.8,137.411 -137.8,137.411 -132.8,137.411 -122.8,137.411 -117.8,137.411 -112.8,137.411 -107.8,137.411 -102.8,137.411 -97.8,137.411 -92.8,137.411 -87.8,137.411 -82.8,137.411 -77.8,137.411 -72.8,137.411 -67.8,137.411 -62.8,137.411 -57.8,137.411 -52.8,137.411 -47.8,137.411 -42.8,137.411 -37.8,137.411 -32.8,137.411 -27.8,137.411 -22.8,137.411 -17.8,137.411 -12.8,137.411 -7.8,137.411 -2.8,137.411 2.2,137.411 -150.3,142.41 -130.3,142.41 -125.3,142.41 -120.3,142.41 -115.3,142.41 -110.3,142.41 -105.3,142.41 -100.3,142.41 -95.3,142.41 -90.3,142.41 -85.3,142.41 -80.3,142.41 -75.3,142.41 -70.3,142.41 -65.3,142.41 -60.3,142.41 -55.3,142.41 -50.3,142.41 -45.3,142.41 -40.3,142.41 -35.3,142.41 -30.3,142.41 -25.3,142.41 -20.3,142.41 -15.3,142.41 -10.3,142.41 -5.3,142.41 -0.3,142.41